# Altium PCB 2-quilter-output.PcbDoc (part 9 of 26)
Units mil, origin at the board's own origin, x right, y up, seen from the top; angles counter-clockwise.
Board outline 4130.55 x 4250 mil, 8 copper layers (L1, Ground L2, L3, Power L4, Ground L5, L6, Ground L7, L8), stack 62.985 mil thick; 591 components, 494 nets, 2245 pads, 1508 vias.
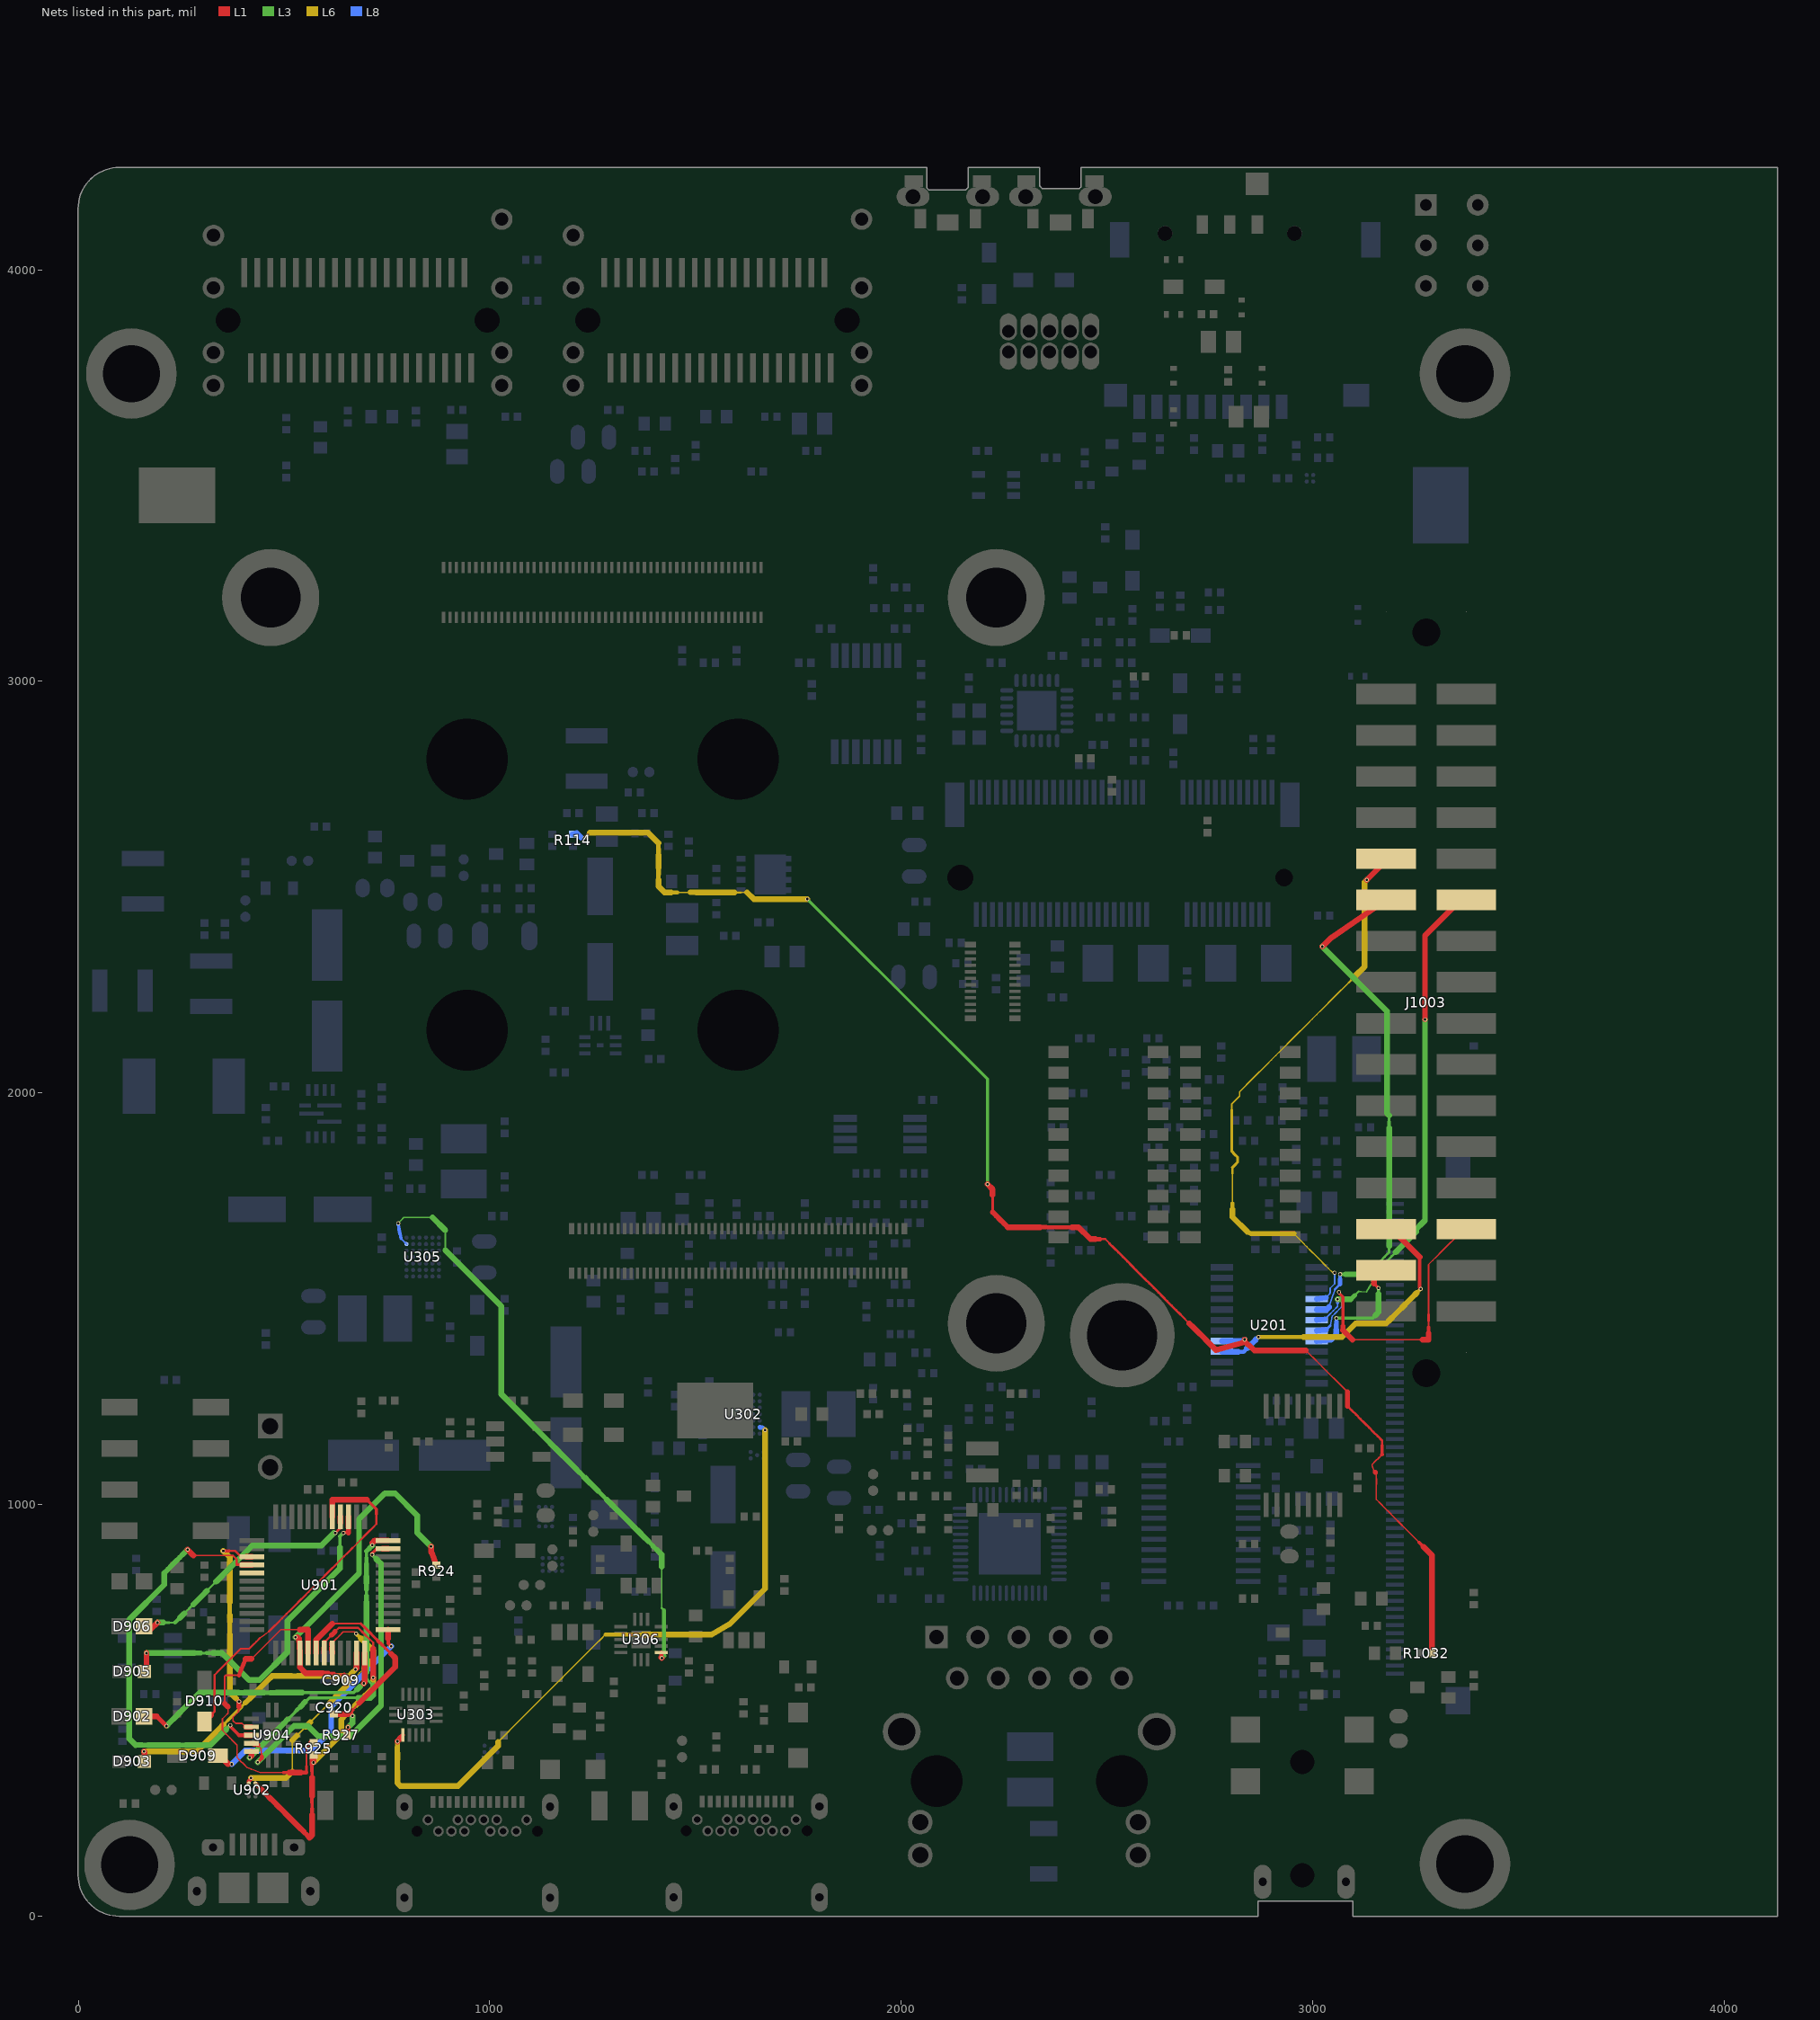
[diagram p15: the nets of this part, all layers, seen from the top]

## Via types
v1: diameter 9.85, hole 5.91, L1 to L8, tented both sides, 1508 vias

## Nets (pads, with @x,y where several pads share a name; then routed paths per layer and width w, separated by ;. In a path a pad name is that pad's centre, name@x,y a point inside that pad or via, vN(x,y) a via of type N, cw(c..) or ccw(c..) an arc to the next point about the centre after c; other vN are vias at no path point) (continued)
EXP_IO9: J1003.13 U201.16 | length 1432.6
  L1 w14.05: v1(3131.93,2517.46) 3179.19,2564.72 J1003.13@3179.19,2568.79
  L6 w3.5: 2805.47,1731.34 2805.47,1745.88 2805.47,1760.42 2805.47,1774.96 2805.47,1789.5 2805.47,1804.04 ; 2822.71,1991.75 2822.71,2002.51 2833.75,2013.55 2844.8,2024.6 2855.84,2035.64 2866.88,2046.68 2877.93,2057.73 2888.97,2068.77 2900.01,2079.81 2911.06,2090.86 2922.1,2101.9 2933.14,2112.94 2944.19,2123.99 2955.23,2135.03 2966.27,2146.07 2977.32,2157.12 2988.36,2168.16 2999.4,2179.2 3010.45,2190.25 3021.49,2201.29 3032.53,2212.33 3043.58,2223.38 3054.62,2234.42 3065.66,2245.46 3076.71,2256.51 3087.75,2267.55 ; 2954.89,1657.27 2965.39,1646.77 2975.89,1636.27 2986.39,1625.77 2996.89,1615.28 3007.38,1604.78 3017.88,1594.28 3028.38,1583.78 3038.88,1573.28 3049.38,1562.78 v1(3053.95,1562.78)
  L6 w3.83: 2804.05,1958.65 2804.05,1973.09 2813.38,1982.42 2822.71,1991.75
  L6 w4.85: 2805.47,1804.04 2805.47,1818.57 ; 3087.75,2267.55 3098.79,2278.59
  L6 w5.87: 2818.11,1831.22 2818.11,1843.45
  L6 w6.9: 2804.05,1958.65 2804.05,1944.2 2804.05,1929.75 2804.05,1915.3 2804.05,1900.86 2804.05,1886.41 2804.05,1871.96 2804.05,1857.52 2811.17,1850.39 2818.11,1843.45 ; 2805.47,1818.57 2811.88,1824.99 2818.11,1831.22
  L6 w8.94: 2805.47,1716.8 2805.47,1731.34
  L6 w12.01: 2841.95,1661.92 2851.22,1657.27 2851.69,1657.27 2866.43,1657.27 2881.17,1657.27 2895.92,1657.27 2910.66,1657.27 2925.41,1657.27 2940.15,1657.27 2954.89,1657.27
  L6 w14.05: 2805.47,1716.8 2805.47,1702.26 2805.47,1698.4 2841.95,1661.92 ; 3098.79,2278.59 3109.84,2289.64 3120.88,2300.68 3126.4,2306.21 3126.4,2511.93 v1(3131.93,2517.46)
  L8 w3.5: 3042.08,1511.91 3042.08,1512.27 3043.11,1513.3 3043.11,1525.2 3053.95,1536.05
  L8 w3.83: U201.16@3032.34,1502.07 3042.03,1511.77 ; 3042.03,1511.78 3042.08,1511.91
  L8 w4.85: 3053.95,1536.05 3053.95,1549.41 v1(3053.95,1562.78)
  L8 w14.05: U201.16@3010.29,1498.81 U201.16@3032.34,1502.07
EXP_IO10: J1003.15 U201.17 | length 1264.5
  L1 w14.05: v1(3023.87,2355.39) 3038.61,2370.12 3044.1,2375.61 J1003.15@3179.19,2468.79
  L3 w5.87: 3154.31,1580.19 3164.95,1590.82 3175.58,1601.46 3186.21,1612.09 3186.21,1627.23 ; 3186.21,1657.5 3186.21,1672.63 ; 3186.21,1929.95 3186.21,1945.08
  L3 w6.9: 3186.21,1672.63 3186.21,1687.77
  L3 w7.92: v1(3067.11,1558.92) 3080.3,1558.92 ; 3186.21,1914.81 3186.21,1929.95
  L3 w10.99: 3143.68,1569.56 3154.31,1580.19
  L3 w13.03: 3186.21,1642.36 3186.21,1657.5
  L3 w14.05: v1(3023.87,2355.39) 3181.14,2198.13 3181.14,1950.16 3186.21,1945.08 ; 3080.3,1558.92 3093.48,1558.92 3106.67,1558.92 3119.86,1558.92 3133.05,1558.92 3143.68,1569.56 ; 3186.21,1627.23 3186.21,1642.36 ; 3186.21,1687.77 3186.21,1702.91 3186.21,1718.04 3186.21,1733.18 3186.21,1748.32 3186.21,1763.45 3186.21,1778.59 3186.21,1793.72 3186.21,1808.86 3186.21,1824 3186.21,1839.13 3186.21,1854.27 3186.21,1869.4 3186.21,1884.54 3186.21,1899.68 3186.21,1914.81
  L8 w3.5: 3039.96,1479.64 3044.66,1493.14 3049.35,1506.64 3054.05,1520.15
  L8 w3.83: 3054.06,1520.16 3054.06,1521.82
  L8 w4.85: 3054.06,1521.82 3060.58,1528.34 3067.11,1534.87
  L8 w7.92: 3067.11,1546.9 v1(3067.11,1558.92)
  L8 w9.96: 3067.11,1534.87 3067.11,1546.9
  L8 w14.05: U201.17@3010.29,1473.22 3034.71,1473.21 3039.95,1478.45 3039.96,1479.64
EXP_IO11: J1003.16 U201.18 | length 1215.6
  L1 w14.05: v1(3273.55,2178.22) 3273.55,2192.81 3273.55,2381.95 3360.38,2468.78 J1003.16@3374.07,2468.79
  L3 w3.5: 3112.46,1517.26 3118.91,1517.26 3130.77,1515.79
  L3 w3.83: 3130.77,1515.79 3139.1,1529.14 3147.44,1542.49
  L3 w4.85: 3102.81,1507.61 3112.46,1517.26
  L3 w5.87: 3164.1,1569.19 3172.43,1582.53 3182.42,1592.52 3192.41,1602.51 3202.39,1612.49
  L3 w6.9: 3155.77,1555.84 3164.1,1569.19
  L3 w10.99: 3093.16,1497.96 3102.81,1507.61 ; 3147.44,1542.49 3155.77,1555.84
  L3 w14.05: v1(3060.77,1497.96) 3093.16,1497.96 ; 3202.39,1612.49 3212.38,1622.48 3222.36,1632.46 3232.35,1642.45 3242.34,1652.44 3252.32,1662.42 3252.32,1668.62 3268.24,1684.54 3273.55,1689.85 v1(3273.55,2178.22)
  L8 w3.5: 3039.59,1458.73 3040.53,1460.36 3050.65,1470.48 3060.77,1480.6 3060.77,1489.28
  L8 w3.83: U201.18@3030.49,1449.62 3039.59,1458.72
  L8 w7.92: 3060.77,1489.28 v1(3060.77,1497.96)
  L8 w14.05: U201.18@3010.29,1447.63 U201.18@3030.49,1449.62
EXP_IO12: J1003.32 U201.19 | length 754.1
  L1 w3.5: 3282.33,1461.02 3282.33,1476.24 3282.33,1491.45 3282.33,1506.67 3282.33,1521.89 3282.33,1537.11 3282.33,1552.33 3282.33,1567.55 3282.33,1582.77 3292.31,1592.75 3302.29,1602.74 3312.28,1612.72 3322.26,1622.7 3332.24,1632.68 3342.22,1642.66 3352.2,1652.65 J1003.32@3362.19,1662.63
  L1 w3.83: 3097.19,1400.12 3107.45,1400.12 3122.02,1400.12 3136.6,1400.12 3151.17,1400.12 3165.74,1400.12 3180.31,1400.12 3194.88,1400.12 3209.45,1400.12 3224.02,1400.12 3238.6,1400.12 3253.17,1400.12 3267.74,1400.12 ; 3282.33,1430.58 3282.33,1445.8
  L1 w5.87: 3282.33,1445.8 3282.33,1461.02
  L1 w7.92: v1(3064.25,1515.36) 3064.25,1513.31 3074.08,1503.48 3074.08,1489.39 3074.08,1475.3 3074.08,1461.2 3074.08,1447.11 3074.08,1433.02 ; 3282.33,1415.36 3282.33,1430.58
  L1 w12.01: 3074.08,1423.24 3074.08,1433.02
  L1 w14.05: 3074.08,1423.24 3097.19,1400.12 ; 3267.74,1400.12 3275.03,1400.12 3282.32,1400.12 ; 3282.33,1400.14 3282.33,1415.36 ; J1003.32@3362.19,1662.63 J1003.32@3374.07,1668.79
  L8 w3.5: 3043.2,1434.4 3045.76,1445.92 3048.32,1457.43 3056.58,1465.69 3064.83,1473.94 3073.06,1482.17 ; v1(3064.25,1515.36) 3068.67,1506.61 3073.06,1497.92
  L8 w5.87: 3073.06,1482.17 3073.06,1497.92
  L8 w6.9: U201.19@3033.09,1424.28 3043.2,1434.39
  L8 w14.05: U201.19@3010.29,1422.03 U201.19@3033.09,1424.28
EXP_IO13: J1003.33 U201.20 | length 323.3
  L1 w6.9: 3151.7,1534.61 v1(3160.47,1525.85)
  L1 w9.96: 3149.4,1536.92 3151.7,1534.61
  L1 w14.05: 3149.4,1536.92 3149.4,1548.23 J1003.33@3179.19,1568.79
  L3 w7.92: v1(3058.13,1452.04) 3072.75,1452.04 3087.37,1452.04 3101.99,1452.04 3116.61,1452.04 3131.22,1452.04 3145.84,1452.04 3153.16,1459.35 ; 3160.47,1511.09 v1(3160.47,1525.85)
  L3 w14.05: 3153.16,1459.35 3160.47,1466.66 3160.47,1466.81 3160.47,1481.57 3160.47,1496.33 3160.47,1511.09
  L8 w7.92: 3058.13,1444.02 v1(3058.13,1452.04)
  L8 w10.99: 3058.13,1436 3058.13,1444.02
  L8 w12.01: 3058.13,1424.39 3058.13,1436
  L8 w14.05: U201.20@3010.29,1396.44 3045.25,1399.9 3058.13,1412.78 3058.13,1424.39
EXP_IO14: J1003.31 U201.4 | length 734.6
  L1 w7.92: v1@3260.5,1526.66 v1(3263.43,1523.72) ; 3260.5,1541.56 3260.5,1556.46 3260.5,1571.37 3260.5,1586.27 3260.5,1601.17
  L1 w8.94: v1@3260.5,1526.66 3260.5,1541.56
  L1 w14.05: J1003.31@3179.19,1668.79 3193.9,1667.77 3260.5,1601.17
  L6 w8.94: 3252.85,1513.14 v1(3263.43,1523.72)
  L6 w9.96: v1(2868.61,1406.59) 2884.27,1406.59 2899.94,1406.59 2915.6,1406.59 2931.26,1406.59 2946.92,1406.59 2962.58,1406.59 2978.24,1406.59
  L6 w14.05: 2978.24,1406.59 2993.9,1406.59 3009.57,1406.59 3025.23,1406.59 3040.89,1406.59 3056.55,1406.59 3072.21,1406.59 3104.68,1439.05 3178.76,1439.05 3189.34,1449.63 3199.93,1460.22 3210.51,1470.8 3221.1,1481.39 3231.68,1491.97 3242.27,1502.55 3252.85,1513.14
  L8 w7.92: 2862.66,1400.63 v1(2868.61,1406.59)
  L8 w9.96: 2819.6,1370.85 2832.87,1370.85 2840.82,1378.79
  L8 w14.05: U201.4@2779.79,1370.85 2793.06,1370.85 2806.33,1370.85 2819.6,1370.85 ; 2840.82,1378.79 2848.76,1386.73 2856.7,1394.67 2862.66,1400.63
EXT_PWREN: R114.1 R1032.1 U201.5 | length 3511.2
  L1 w3.5: 2984.1,1374.01 2994.61,1363.5 3005.11,1352.99 3015.62,1342.49 3025.55,1332.55 3035.49,1322.62 3045.42,1312.69 3055.35,1302.76 3065.29,1292.82 3075.22,1282.89 3085.15,1272.96 ; 3145.14,1093.42 3149.34,1080.86 ; 3155.39,1049.46 3155.39,1036.79 3155.39,1024.12 3155.39,1011.45 3165.79,1001.05 3176.19,990.64 3186.6,980.24 3197,969.84 3207.4,959.43 ; 3155.39,1062.13 3155.39,1074.81 ; 3217.8,949.03 3228.21,938.63 3238.61,928.23 3249.01,917.82 3259.42,907.42
  L1 w3.83: 2496.11,1644.36 2506.88,1633.59 ; 2690.07,1450.4 2700.85,1439.62 ; 3145.14,1093.42 3145.14,1096.94 3153.15,1104.96 3161.16,1112.97 3169.18,1120.98
  L1 w4.85: 2679.3,1461.17 2690.07,1450.4 ; 3155.39,1049.46 3155.39,1062.13 ; 3207.4,959.43 3217.8,949.03
  L1 w5.87: 2484.1,1644.36 2496.11,1644.36 ; 2506.88,1633.59 2517.66,1622.81 2528.43,1612.04 2539.21,1601.26 2549.99,1590.48 2560.76,1579.71 2571.54,1568.93 2582.31,1558.16 2593.09,1547.38 2603.87,1536.6 2614.64,1525.83 2625.42,1515.05 2636.19,1504.28 2646.97,1493.5 2657.74,1482.73 2668.52,1471.95 2679.3,1461.17 ; 3085.15,1238.79 3095.65,1228.28 3106.16,1217.78 3116.66,1207.28 3127.16,1196.77 3137.66,1186.27 3148.17,1175.77 3158.67,1165.27 3169.17,1154.76 3169.17,1143.51 ; 3149.34,1080.86 3152.95,1077.24
  L1 w6.9: 2222.62,1709.98 2222.62,1723.82 2222.62,1737.67 2222.62,1751.52 ; 3152.95,1077.24 3155.39,1074.81
  L1 w7.92: 3169.17,1120.99 3169.17,1132.25 3169.17,1143.51 ; 3259.42,907.42 3269.82,897.02
  L1 w9.96: 2353.15,1673.19 2368.78,1673.19 2384.4,1673.19 2400.02,1673.19 2415.64,1673.19
  L1 w10.99: 2337.53,1673.19 2353.15,1673.19 ; 2472.1,1644.36 2484.1,1644.36
  L1 w12.01: 3085.15,1238.79 3085.15,1250.18 3085.15,1261.57 3085.15,1272.96
  L1 w13.03: 2222.62,1709.98 2231.82,1700.78 2241.01,1691.59 2250.21,1682.39 2259.02,1673.57
  L1 w14.05: v1(2209.86,1778.12) 2222.62,1765.36 2222.62,1751.52 ; 2259.03,1673.57 2259.42,1673.19 2275.04,1673.19 2290.66,1673.19 2306.28,1673.19 2321.91,1673.19 2337.53,1673.19 ; 2415.64,1673.19 2431.27,1673.19 2460.09,1644.36 2472.1,1644.36 ; 2700.85,1439.62 2711.62,1428.85 2722.4,1418.07 2733.18,1407.29 2743.95,1396.52 2754.73,1385.74 2765.5,1374.97 2835.23,1393.99 ; v1(2835.1,1400.46) 2835.1,1394.12 2835.23,1393.99 ; 2984.1,1374.01 2858.76,1374.01 2846.66,1386.11 2835.23,1393.99 ; 3269.82,897.02 3280.22,886.61 3290.63,876.21 R1032.1@3290.63,637.95
  L3 w6.9: v1(1772.27,2470.87) 1783.21,2459.93 1794.15,2448.99 1805.09,2438.05 1816.03,2427.11 1826.97,2416.17 1837.91,2405.23 1848.85,2394.29 1859.79,2383.35 1870.73,2372.41 1881.67,2361.47 1892.61,2350.54 1903.55,2339.6 1914.49,2328.66 1925.43,2317.72 1936.37,2306.78 1947.31,2295.84 1958.25,2284.9 1969.19,2273.96 1980.13,2263.02 1991.07,2252.08 2002.01,2241.14 2012.95,2230.2 2023.89,2219.26 2034.82,2208.32 2045.76,2197.38 2056.7,2186.44 2067.64,2175.5 2078.58,2164.56 2089.52,2153.62 2100.46,2142.68 2111.4,2131.74 2122.34,2120.8 2133.28,2109.86 2144.22,2098.92 2155.16,2087.98 2166.1,2077.05 2177.04,2066.11 2187.98,2055.17 2198.92,2044.23 2209.86,2033.29
  L3 w7.92: v1(2209.86,1778.12) 2209.86,1793.14 2209.86,1808.15 2209.86,1823.16 2209.86,1838.16 2209.86,1853.17 2209.86,1868.18 2209.86,1883.19 2209.86,1898.2 2209.86,1913.21 2209.86,1928.22 2209.86,1943.23 2209.86,1958.24 2209.86,1973.25 2209.86,1988.26 2209.86,2003.27 2209.86,2018.28 2209.86,2033.29
  L6 w3.83: 1456.35,2486.93 1471.75,2486.93 1487.15,2486.93 ; 1610.36,2486.93 1625.76,2486.93
  L6 w4.85: 1594.96,2486.93 1610.36,2486.93
  L6 w7.92: v1(1231.37,2620.26) 1237.28,2626.18 1243.2,2632.09
  L6 w9.96: 1440.95,2486.93 1456.35,2486.93
  L6 w10.99: 1410.15,2516.98 1410.15,2532.01 ; 1410.15,2592.12 1410.15,2606.96
  L6 w12.01: 1410.15,2532.01 1410.15,2547.04 ; 1410.15,2577.09 1410.15,2592.12
  L6 w13.03: 1487.15,2486.93 1502.55,2486.93
  L6 w14.05: 1243.2,2632.09 1385.02,2632.09 1410.15,2606.96 ; 1410.15,2516.98 1410.15,2501.96 1425.17,2486.93 1425.55,2486.93 1440.95,2486.93 ; 1410.15,2547.04 1410.15,2562.06 1410.15,2577.09 ; 1502.55,2486.93 1517.95,2486.93 1533.35,2486.93 1548.75,2486.93 1564.16,2486.93 1579.56,2486.93 1594.96,2486.93 ; 1625.76,2486.93 1641.81,2470.87 v1(1772.27,2470.87)
  L8 w7.92: 1222.47,2620.26 v1(1231.37,2620.26)
  L8 w14.05: R114.1@1202.3,2628.3 1211.64,2631.09 1222.47,2620.26 ; U201.5@2779.79,1396.44 2831.08,1396.44 v1(2835.1,1400.46)
FRS_EN1: U302.B6 U303.1 | length 1619.9
  L1 w9.96: U303.1@785.28,433.98 U303.1@789.26,439.33
  L1 w14.05: v1(775.79,423.78) 775.79,424.49 U303.1@785.28,433.98
  L6 w3.5: 1020.29,422.52 1031.27,433.49 1042.24,444.47 1053.22,455.44 1064.19,466.42 1075.17,477.39 1086.14,488.37 1097.12,499.34 1108.1,510.32 1119.07,521.3 1130.05,532.27 1140.85,543.07 1151.65,553.88 1162.46,564.68 1173.26,575.48 1184.06,586.29 1194.87,597.09 1205.67,607.89 1216.47,618.7 1227.28,629.5 1238.08,640.3 1248.88,651.11 1259.69,661.91 1270.49,672.72 1281.29,683.52
  L6 w9.96: 1281.29,683.52 1296.47,683.52 1311.64,683.52 1326.81,683.52 1341.98,683.52 1357.15,683.52 1372.32,683.52
  L6 w12.01: 775.79,409.31 v1(775.79,423.78)
  L6 w13.03: 775.79,351.44 775.79,365.9 775.79,380.37 ; 775.79,394.84 775.79,409.31
  L6 w14.05: 775.79,351.44 775.79,336.97 775.79,322.5 782.56,315.73 855.94,315.73 923.17,315.73 1020.29,412.86 1020.29,422.52 ; 775.79,380.37 775.79,394.84 ; 1372.32,683.52 1387.49,683.52 1402.66,683.52 1417.83,683.52 1433,683.52 1448.17,683.52 1463.35,683.52 1478.52,683.52 1493.69,683.52 1508.86,683.52 1524.03,683.52 1539.2,683.52 ; 1539.21,683.53 1583.99,709.6 1669.2,794.81 v1(1669.21,1180.29)
  L8 w9.96: U302.B6@1656.38,1187.5 U302.B6@1657.15,1186.73
  L8 w10.99: U302.B6@1657.15,1186.73 1662.77,1186.73 v1(1669.21,1180.29)
FRS_EN2: U305.B6 U306.1 | length 1466.4
  L1 w9.96: v1@1417.38,627.41 U306.1@1417.4,639.65
  L1 w14.05: v1@1417.38,627.41 v1(1418.52,626.27)
  L3 w3.5: v1(777.64,1683.15) 784.53,1690.03 791.41,1696.92 805.39,1696.92 819.36,1696.92 833.33,1696.92 847.31,1696.92 861.28,1696.92 ; 892.29,1617.38 892.29,1629.51 892.29,1641.64 892.29,1653.78 892.29,1665.91
  L3 w3.83: 1418.42,747.65 1418.42,762.06 1418.42,776.48 1418.42,790.9 1418.42,805.31 1418.42,819.73 1418.42,834.14 1418.42,848.56
  L3 w5.87: 1418.42,747.65 1424.1,741.97
  L3 w9.96: 1274.06,1021.75 1285.17,1010.65 ; 1385.11,910.71 1396.21,899.6 ; 1424.1,631.85 1424.1,647.58 1424.1,663.31 1424.1,679.05 1424.1,694.78 1424.1,710.51 1424.1,726.24 1424.1,741.97
  L3 w10.99: 1262.96,1032.86 1274.06,1021.75 ; v1(1418.52,626.27) 1424.1,631.85
  L3 w12.01: 1218.54,1077.27 1229.64,1066.17 ; 1396.21,899.6 1407.32,888.5
  L3 w13.03: 1207.44,1088.38 1218.54,1077.27
  L3 w14.05: 861.28,1696.92 892.29,1665.91 ; 892.29,1617.38 1028.57,1481.1 1028.57,1267.25 1096.39,1199.42 1107.5,1188.32 1118.6,1177.21 1129.7,1166.11 1140.81,1155.01 1151.91,1143.9 1163.02,1132.8 1174.12,1121.69 1185.23,1110.59 1196.33,1099.48 1207.44,1088.38 ; 1229.64,1066.17 1240.75,1055.07 1251.85,1043.96 1262.96,1032.86 ; 1285.17,1010.65 1296.27,999.54 1307.38,988.44 1318.48,977.33 1329.59,966.23 1340.69,955.13 1351.79,944.02 1362.9,932.92 1374,921.81 1385.11,910.71 ; 1407.32,888.5 1418.42,877.39 1418.42,862.98 1418.42,848.56
  L8 w3.5: 784.58,1645.74 794.43,1635.89
  L8 w4.85: 794.43,1635.89 U305.B6@797.98,1632.34
  L8 w7.92: v1(777.64,1683.15) 777.64,1679.39 779.95,1668.18 ; 782.26,1656.96 784.58,1645.74
  L8 w8.94: 779.95,1668.18 782.26,1656.96
FT_NPWREN: U901.41
FT_NRXLED1: D902.C U901.12 | length 660.3
  L1 w10.99: 190.91,484.53 199.23,476.22 206.71,468.73 v1(214.2,461.24)
  L1 w14.05: D902.C@160.11,484.53 190.91,484.53 ; v1(693.77,564.74) 696.24,567.21 U901.12@696.25,638.34
  L3 w6.9: 544.76,542.33 560.35,542.33 575.94,542.33 591.54,542.33 607.13,542.33 622.72,542.33
  L3 w7.92: 622.72,542.33 638.31,542.33 653.9,542.33 669.5,542.33 677.59,549.8 ; 685.68,557.27 v1(693.77,564.74)
  L3 w9.96: 264.88,511.92 275.01,522.05
  L3 w10.99: 451.21,542.33 466.8,542.33
  L3 w13.03: 254.74,501.78 264.88,511.92 ; 275.01,522.05 285.15,532.19 ; 388.84,542.33 404.43,542.33 ; 466.8,542.33 482.39,542.33
  L3 w14.05: v1(214.2,461.24) 224.34,471.38 234.47,481.51 244.61,491.65 254.74,501.78 ; 285.15,532.19 295.29,542.33 310.88,542.33 326.47,542.33 342.06,542.33 357.65,542.33 373.25,542.33 388.84,542.33 ; 404.43,542.33 420.02,542.33 435.61,542.33 451.21,542.33 ; 482.39,542.33 497.98,542.33 513.58,542.33 529.17,542.33 544.76,542.33 ; 677.59,549.8 685.68,557.27
FT_NRXLED2: D906.C U901.28 | length 606.2
  L1 w5.87: v1(624.71,930.13) 630.79,936.22
  L1 w6.9: 630.79,936.22 U901.28@637.14,942.56
  L1 w8.94: U901.28@637.15,942.56 U901.28@637.15,955.82
  L1 w14.05: D906.C@160.11,703.41 177.56,697.61 v1(192.47,712.52) ; U901.28@637.15,955.82 U901.28@637.15,969.34
  L3 w4.85: 221.24,712.52 235.63,712.52 ; 257.7,734.59 268.73,745.62 ; 312.87,789.76 323.9,800.79 334.94,811.83
  L3 w5.87: 268.73,745.62 279.77,756.65
  L3 w6.9: 206.85,712.52 221.24,712.52
  L3 w7.92: v1@621.2,930.13 v1(624.71,930.13)
  L3 w9.96: 235.63,712.52 246.66,723.55
  L3 w14.05: v1(192.47,712.52) 206.85,712.52 ; 246.66,723.55 257.7,734.59 ; 279.77,756.65 290.8,767.69 301.83,778.72 312.87,789.76 ; 334.94,811.83 345.97,822.86 357.01,833.89 368.04,844.93 379.07,855.96 390.11,867 401.14,878.03 412.18,889.07 423.21,900.1 591.17,900.1 v1@621.2,930.13
FT_NSLEEP1: D909.A U901.13 | length 626.3
  L1 w8.94: 364.5,368.29 v1(372.95,368.29) ; 753.38,673.21 753.38,662.06 v1(760.45,655)
  L1 w14.05: D909.A@339.93,388.93 343.87,388.92 364.5,368.29 ; 753.38,673.21 753.38,684.35 U901.13@753.4,695.49
  L8 w14.05: v1(372.95,368.29) 406.02,401.37 566.66,401.37 614.75,449.46 614.75,509.3 v1(760.45,655)
FT_NSLEEP2: D910.A U901.29 | length 861.8
  L1 w3.5: 441.27,674.78 452.2,682.63 463.09,690.47
  L1 w3.83: 667.39,894.77 678.14,905.52 688.89,916.27
  L1 w4.85: 331.12,540.83 331.12,555.66 331.12,570.48 331.12,585.31 341.74,595.93 352.36,606.55 362.98,617.17 373.6,627.79 384.22,638.41 394.84,649.03 405.19,649.03 415.53,649.03 424.11,657.62 432.69,666.2 441.27,674.78 ; 463.1,690.48 473.88,701.26 484.63,712.01 495.38,722.76 506.13,733.51 516.88,744.26 527.63,755.01 538.38,765.76 549.13,776.51 559.88,787.26 570.63,798.01 581.38,808.76 592.13,819.51 602.88,830.26 613.64,841.01 624.39,851.76 635.14,862.51 645.89,873.26 656.64,884.02 667.39,894.77 ; 688.9,916.27 697.82,925.19 706.74,934.11 715.66,943.03 724.58,951.95 724.58,964.01
  L1 w5.87: D910.A@322.92,488.16 331.12,496.36 331.12,511.18 331.12,526.01 331.12,540.83 ; 724.58,964.01 724.58,976.07
  L1 w6.9: 701.93,1010.78 709.48,1003.23 717.03,995.68 724.58,988.13 724.58,976.07
  L1 w14.05: D910.A@306.52,471.76 314.72,479.96 D910.A@322.92,488.16 ; U901.29@617.46,969.33 617.46,1010.78 701.92,1010.78
FT_NTXLED1: D903.C U901.11 | length 662.5
  L1 w9.96: v1(673.96,598.87) v1@676.56,601.46
  L1 w14.05: v1(159.57,399.69) 160.63,398.64 D903.C@160.62,375.09 ; v1@676.56,601.46 U901.11@676.56,638.35
  L6 w6.9: 352.75,464.21 363.5,474.96 ; 395.76,507.22 406.51,517.97
  L6 w7.92: 363.5,474.96 374.26,485.71 385.01,496.47
  L6 w8.94: 385.01,496.47 395.76,507.22
  L6 w13.03: 406.51,517.97 417.27,528.73 ; 517.67,582.49 533.21,582.49 ; 564.31,582.49 579.85,582.49 595.4,582.49 ; 642.04,582.49 657.58,582.49 665.77,590.68 v1(673.96,598.87)
  L6 w14.05: v1(159.57,399.69) 288.23,399.69 298.99,410.45 309.74,421.2 320.49,431.95 331.24,442.7 342,453.46 352.75,464.21 ; 417.27,528.73 428.02,539.48 438.77,550.23 449.52,560.98 460.28,571.74 471.03,582.49 486.58,582.49 502.12,582.49 517.67,582.49 ; 533.21,582.49 548.76,582.49 564.31,582.49 ; 595.4,582.49 610.94,582.49 626.49,582.49 642.04,582.49
FT_NTXLED2: D905.C U901.27 | length 840.7
  L1 w7.92: v1(644.31,930.32) 645.2,931.2 656.85,931.2
  L1 w13.03: 656.85,931.2 U901.27@656.85,943.91
  L1 w14.05: D905.C@160.62,593.97 165.75,599.1 v1(165.75,638.18) ; U901.27@656.85,943.91 656.85,956.62 U901.27@656.85,969.33
  L3 w6.9: 297.33,638.18 311.95,638.18
  L3 w7.92: 635.73,895.41 635.73,908.58 635.73,921.74
  L3 w8.94: 635.73,921.74 v1(644.31,930.32)
  L3 w9.96: 311.95,638.18 326.57,638.18
  L3 w12.01: 282.71,638.18 297.33,638.18
  L3 w14.05: v1(165.75,638.18) 180.37,638.18 194.99,638.18 209.61,638.18 224.23,638.18 238.85,638.18 253.47,638.18 268.09,638.18 282.71,638.18 ; 326.57,638.18 349.84,638.18 414.82,573.2 440.78,573.2 507.83,640.25 507.83,716.28 635.73,844.18 635.73,855.93 635.73,869.09 635.73,882.25 635.73,895.41
FT_USB_DN: U901.8 U902.C2 | length 652.6
  L1 w3.83: U901.8@615.88,662.05 625.25,671.42 634.62,680.79 643.99,690.15 657.36,690.15 670.73,690.14 v1(675.36,685.51)
  L1 w7.92: v1@420.09,332.81 v1(420.09,335)
  L1 w9.96: U902.C2@414.77,321.67 414.76,327.49 v1@420.09,332.81
  L1 w13.03: U901.8@615.88,662.05 U901.8@616.67,650.2
  L1 w14.05: U901.8@616.67,650.2 U901.8@617.46,638.35
  L6 w3.5: 520.33,350.35 520.33,365.66 520.33,380.97 520.33,396.28 520.33,411.59 520.33,426.9 ; 531.22,437.78 542.1,448.67 552.99,459.55 ; 574.76,481.32 585.64,492.21 ; 596.53,503.09 607.41,513.98 ; 661.84,568.4 672.72,579.29 683.61,590.17 694.49,601.06
  L6 w3.83: 563.87,470.44 574.76,481.32 ; 585.64,492.21 596.53,503.09
  L6 w4.85: 650.95,557.52 661.84,568.4
  L6 w8.94: v1(675.36,685.51) 685.72,675.15
  L6 w13.03: 607.41,513.98 618.3,524.86
  L6 w14.05: v1(420.09,335) 505,335 520.33,350.33 ; 520.33,426.9 531.22,437.78 ; 552.99,459.55 563.87,470.44 ; 618.3,524.86 629.18,535.75 640.07,546.63 650.95,557.52 ; 685.72,675.15 696.07,664.79 706.43,654.43 716.79,644.08 ; 694.49,601.06 705.38,611.94 716.26,622.83 716.79,623.36 716.79,644.07
FT_USB_DP: R925.1 U901.7 U902.C1 | length 934.7
  L1 w4.85: U901.7@597.74,664.31 606.6,673.18 615.47,682.04 ; 624.33,690.91 633.2,699.78 648.97,699.78 664.73,699.78 680.5,699.78 689.57,690.71 ; 698.63,681.64 707.7,672.58 716.77,663.51
  L1 w5.87: 689.57,690.71 698.63,681.64 ; 716.77,649.32 716.77,663.51
  L1 w7.92: 568.13,260.29 568.13,275.53 ; 568.13,336.49 568.13,351.73
  L1 w8.94: 568.13,275.53 568.13,290.77 ; 568.13,351.73 568.13,366.97
  L1 w9.96: U902.C1@430.51,321.67 434.07,318.11 ; 568.13,245.05 568.13,260.29
  L1 w10.99: 434.07,318.11 444.38,307.8 ; 568.13,366.97 568.13,382.21 R925.1@569.45,384.07
  L1 w12.01: 547.49,204.7 557.8,194.39 562.23,189.95 ; U901.7@597.74,651.33 U901.7@597.74,664.31 ; 615.47,682.04 624.33,690.91
  L1 w13.03: 454.7,297.49 465.01,287.18 ; U901.7@597.75,638.34 U901.7@597.74,651.33
  L1 w14.05: 444.38,307.8 454.7,297.49 ; 465.01,287.18 475.32,276.87 485.63,266.56 495.94,256.25 506.25,245.94 516.56,235.63 526.87,225.32 537.18,215.01 547.49,204.7 ; 562.24,189.95 568.13,195.84 568.13,199.32 568.13,214.56 568.13,229.8 568.13,245.05 ; 568.13,290.77 568.13,306.01 568.13,321.25 568.13,336.49 ; R925.1@569.45,384.07 R925.1@571.94,390.77 571.93,373.23 v1(571.31,372.61) ; v1(716.77,578.37) 716.77,592.57 716.77,606.76 716.77,620.94 716.77,635.13 716.77,649.32
  L6 w7.92: 650.46,488.33 661.51,499.38
  L6 w9.96: 661.51,499.38 672.56,510.43
  L6 w13.03: 639.4,477.28 650.46,488.33
  L6 w14.05: v1(571.31,372.61) 639.4,440.7 639.4,477.27 ; 672.56,510.43 683.61,521.48 694.67,532.54 705.72,543.59 716.77,554.64 v1(716.77,578.37)
FT_VCCOUT_3V3: C920.2 R927.1 U901.6 | length 557.9
  L1 w4.85: 617.11,709.91 631.05,709.91 645.01,709.91 658.96,709.91 672.91,709.91 686.87,709.91 ; 666.63,500.83 672.43,506.63 683.32,517.52
  L1 w6.9: 660.83,495.03 666.41,489.45 v1(666.41,485.46) ; 686.87,709.91 697.36,699.42 707.85,688.93 718.34,678.44 728.83,667.95 ; 739.32,657.45 749.81,646.96 760.3,636.47
  L1 w8.94: 660.83,495.03 666.63,500.83 ; 728.83,667.95 739.32,657.45
  L1 w12.01: R927.1@653.05,438.75 655.77,441.47 655.77,449.75 v1(655.77,458.03)
  L1 w14.05: U901.6@578.05,638.35 578.05,670.86 617.11,709.91 ; C920.2@621.7,490.38 656.17,490.37 660.83,495.03 ; 683.32,517.52 694.2,528.4 705.09,539.29 715.97,550.17 726.86,561.06 737.74,571.94 748.63,582.83 759.51,593.71 770.4,604.6 770.8,605 770.8,625.98 760.3,636.47
  L3 w14.05: v1(655.77,458.03) 666.41,468.66 v1(666.41,485.46)
FTDI_NPOR: C909.1 R924.2 U901.4 | length 891.4
  L1 w3.5: 622.12,589.57 636.41,586.86
  L1 w3.83: 636.41,586.86 646.28,586.86
  L1 w6.9: 608.21,589.57 622.12,589.57
  L1 w8.94: v1(527.7,676.83) 532.67,676.83 ; 646.28,586.86 C909.1@655.02,578.11
  L1 w10.99: 594.3,589.57 608.21,589.57
  L1 w13.03: C909.1@653.05,571.54 C909.1@655.02,578.11
  L1 w14.05: 532.67,676.83 536.32,673.18 U901.4@538.65,638.34 538.64,603.48 552.55,589.57 566.47,589.57 580.38,589.57 594.3,589.57 ; v1(857.4,897.39) 857.4,884.06 859.36,882.09 R924.2@870.53,851.93
  L3 w14.05: v1(527.7,676.83) 682.54,831.67 682.54,964.19 744.97,1026.62 770.14,1026.62 823.57,973.18 823.57,931.22 v1(857.4,897.39)
FTDI_NRSTOUT: R925.2 U901.5 | length 800.8
  L1 w3.5: 350.36,478.5 357.13,485.27 363.9,492.04 363.9,507.5 ; 359.01,584.53 369.63,584.53 380.25,584.53 390.86,584.53 ; 421.12,624.16 431.28,634.32 441.44,644.49 451.61,654.65 461.77,664.81 471.93,674.98 482.1,685.14 492.26,695.3 507.63,695.3 523.01,695.3 538.38,695.3
  L1 w3.83: 350.36,478.5 350.36,464.51 350.36,450.52 359.26,441.62 368.16,432.72 377.07,423.81 385.97,414.91 385.97,399.78 385.97,384.65 393.96,376.66 401.94,368.68 409.92,360.69 420.57,356.45 431.23,352.21 441.88,347.96 455.98,347.96 470.08,347.96 484.19,347.96 498.29,347.96
  L1 w4.85: 356.03,515.38 356.03,528.61 356.03,541.84 356.03,555.08 356.03,568.31 356.03,581.54 359.01,584.53 ; 554.71,363.15 554.71,378.33 554.71,393.51 554.71,408.69 560.51,414.49 R925.2@566.31,420.3
  L1 w5.87: 554.71,348.91 554.71,363.15
  L1 w6.9: 498.29,347.96 512.39,347.96
  L1 w7.92: 553.77,347.96 554.71,348.91
  L1 w9.96: 390.87,584.54 396.04,597.74 401.22,610.95 406.39,624.16 ; 540.6,347.96 553.77,347.96
  L1 w13.03: 356.03,515.38 363.9,507.5
  L1 w14.05: 406.39,624.16 421.12,624.16 ; 512.39,347.96 526.5,347.96 540.6,347.96 ; 538.39,695.3 558.35,695.3 U901.5@558.35,638.34 ; R925.2@566.31,420.3 R925.2@571.94,420.29
FTDIA_RX: U901.23 U904.12 | length 866.6
  L1 w3.5: U904.12@436.26,415.18 443.45,407.98 444.92,397.77
  L1 w3.83: 444.92,397.77 446.4,387.57
  L1 w6.9: v1@714.22,880.74 720.1,886.62
  L1 w7.92: v1(435.88,372.86) 446.4,383.37 ; 720.1,886.62 U901.23@725.98,892.5
  L1 w8.94: v1(714.22,877.31) v1@714.22,880.74 ; U901.23@725.98,892.5 U901.23@739.68,892.5
  L1 w9.96: 446.4,383.37 446.4,387.56
  L1 w10.99: U904.12@428.34,417.11 U904.12@436.26,415.18
  L1 w13.03: U904.12@420.44,419.04 U904.12@428.34,417.11
  L1 w14.05: U901.23@739.68,892.5 U901.23@753.4,892.49
  L3 w9.96: v1(714.22,877.31) 724.17,867.36
  L3 w14.05: v1(435.88,372.86) 524.41,461.38 557.97,461.38 582.45,436.9 662,436.9 736,510.91 736,855.53 734.12,857.41 724.17,867.36
FTDIA_TX: U901.24 U904.13 | length 803.1
  L1 w7.92: v1(416.43,384.5) 420.43,388.5 ; v1(714.72,900.78) 714.72,906.03
  L1 w14.05: 420.43,388.5 U904.13@420.44,399.36 ; 714.72,906.03 720.87,912.18 U901.24@753.4,912.19
  L3 w6.9: 606.07,529.63 620.9,529.63 635.73,529.63 650.57,529.63 665.4,529.63 680.23,529.63 ; 700.5,591.59 700.5,576.11 708.58,568.03 716.65,559.95 ; 700.5,870.39 700.5,885.88
  L3 w7.92: 509.74,477.8 520.1,488.17 530.47,498.53 ; 551.2,519.27 561.57,529.63 576.4,529.63 591.24,529.63 606.07,529.63 ; 700.5,777.46 700.5,792.95
  L3 w9.96: 530.47,498.53 540.84,508.9 ; 700.5,854.9 700.5,870.39
  L3 w10.99: 700.5,761.97 700.5,777.46 ; 700.5,823.93 700.5,839.41 700.5,854.9 ; 700.5,885.88 707.61,892.99
  L3 w13.03: 499.37,467.43 509.74,477.8 ; 700.5,792.95 700.5,808.44 ; 707.61,892.99 v1@714.72,900.1
  L3 w14.05: v1(416.43,384.5) 426.8,394.87 437.17,405.23 447.54,415.6 457.9,425.97 468.27,436.33 478.64,446.7 489,457.07 499.37,467.43 ; 540.84,508.9 551.2,519.27 ; 680.23,529.63 695.06,529.63 709.9,529.63 716.66,536.39 716.66,559.94 ; 700.5,591.59 700.5,607.08 700.5,622.57 700.5,638.06 700.5,653.55 700.5,669.04 700.5,684.53 700.5,700.02 700.5,715.5 700.5,730.99 700.5,746.48 700.5,761.97 ; 700.5,808.44 700.5,823.93 ; v1@714.72,900.1 v1(714.72,900.78)
FTDIB_RX: U901.39 U904.10 | length 561.5
  L1 w3.5: 376.13,473.93 376.13,482.84 383.02,489.72 389.9,496.61 ; 382.48,467.58 389.66,467.58 398.19,467.58
  L1 w3.83: 376.13,473.93 382.48,467.58 ; 398.19,467.58 U904.10@407.34,458.43
  L1 w4.85: 389.9,496.61 389.9,508.07
  L1 w5.87: 366.82,886.88 381.21,886.88 388.26,879.83 U901.39@395.31,872.78
  L1 w7.92: v1(352.44,886.88) 366.82,886.88 ; U901.39@395.31,872.78 U901.39@408.86,872.78
  L1 w12.01: 389.9,508.07 389.9,519.53 v1(390.85,520.47)
  L1 w13.03: U904.10@407.34,458.43 U904.10@420.44,458.42
  L1 w14.05: U901.39@408.86,872.78 U901.39@422.4,872.79
  L6 w7.92: 383.28,528.04 v1(390.85,520.47)
  L6 w10.99: 368.15,730.61 368.15,746.22 368.15,761.84
  L6 w12.01: 368.15,683.75 368.15,699.37 368.15,714.99
  L6 w14.05: v1(352.44,886.88) 368.15,871.18 368.15,855.56 368.15,839.94 368.15,824.32 368.15,808.7 368.15,793.08 368.15,777.46 368.15,761.84 ; 368.15,683.75 368.15,668.13 368.15,652.51 368.15,636.89 368.15,621.27 368.15,605.65 368.15,590.03 368.15,574.41 368.15,558.8 368.15,543.18 375.71,535.61 383.28,528.04 ; 368.15,714.99 368.15,730.61
FTDIB_TX: U901.40 U904.11 | length 1031.9
  L1 w3.5: 279.51,875.89 293.21,875.89 306.9,875.89 320.6,875.89 334.29,875.89 347.99,875.89 361.68,875.89 375.37,875.89
  L1 w4.85: 375.37,875.89 385.06,866.2
  L1 w5.87: 385.06,853.09 385.06,866.2
  L1 w6.9: 385.06,853.09 U901.40@397.51,853.09
  L1 w7.92: v1(369.71,463.07) 369.71,459.84 380.27,449.28 390.83,438.72
  L1 w9.96: 390.83,438.72 U904.11@405.63,438.72
  L1 w14.05: v1(265.79,889.6) 279.5,875.89 ; U901.40@397.51,853.09 409.96,853.09 U901.40@422.4,853.09 ; U904.11@405.63,438.72 U904.11@420.44,438.73
  L3 w9.96: 360.11,453.47 v1(369.71,463.07)
  L3 w12.01: 154.55,415.05 169.75,415.05 ; 245.72,415.05 260.91,415.05
  L3 w13.03: 139.36,415.05 154.55,415.05 ; 208.79,832.6 218.29,842.1 227.79,851.6 237.29,861.1 246.79,870.6 256.29,880.1 v1(265.79,889.6)
  L3 w14.05: 139.35,415.05 124.16,430.24 124.16,719.81 208.79,804.44 208.79,832.6 ; 169.75,415.05 184.94,415.05 200.14,415.05 215.33,415.05 230.53,415.05 245.72,415.05 ; 260.91,415.05 276.11,415.05 291.3,415.05 306.5,415.05 321.69,415.05 331.29,424.65 340.9,434.26 350.5,443.86 360.11,453.47